# KiCad board Karnix_ASB.kicad_pcb (continued)
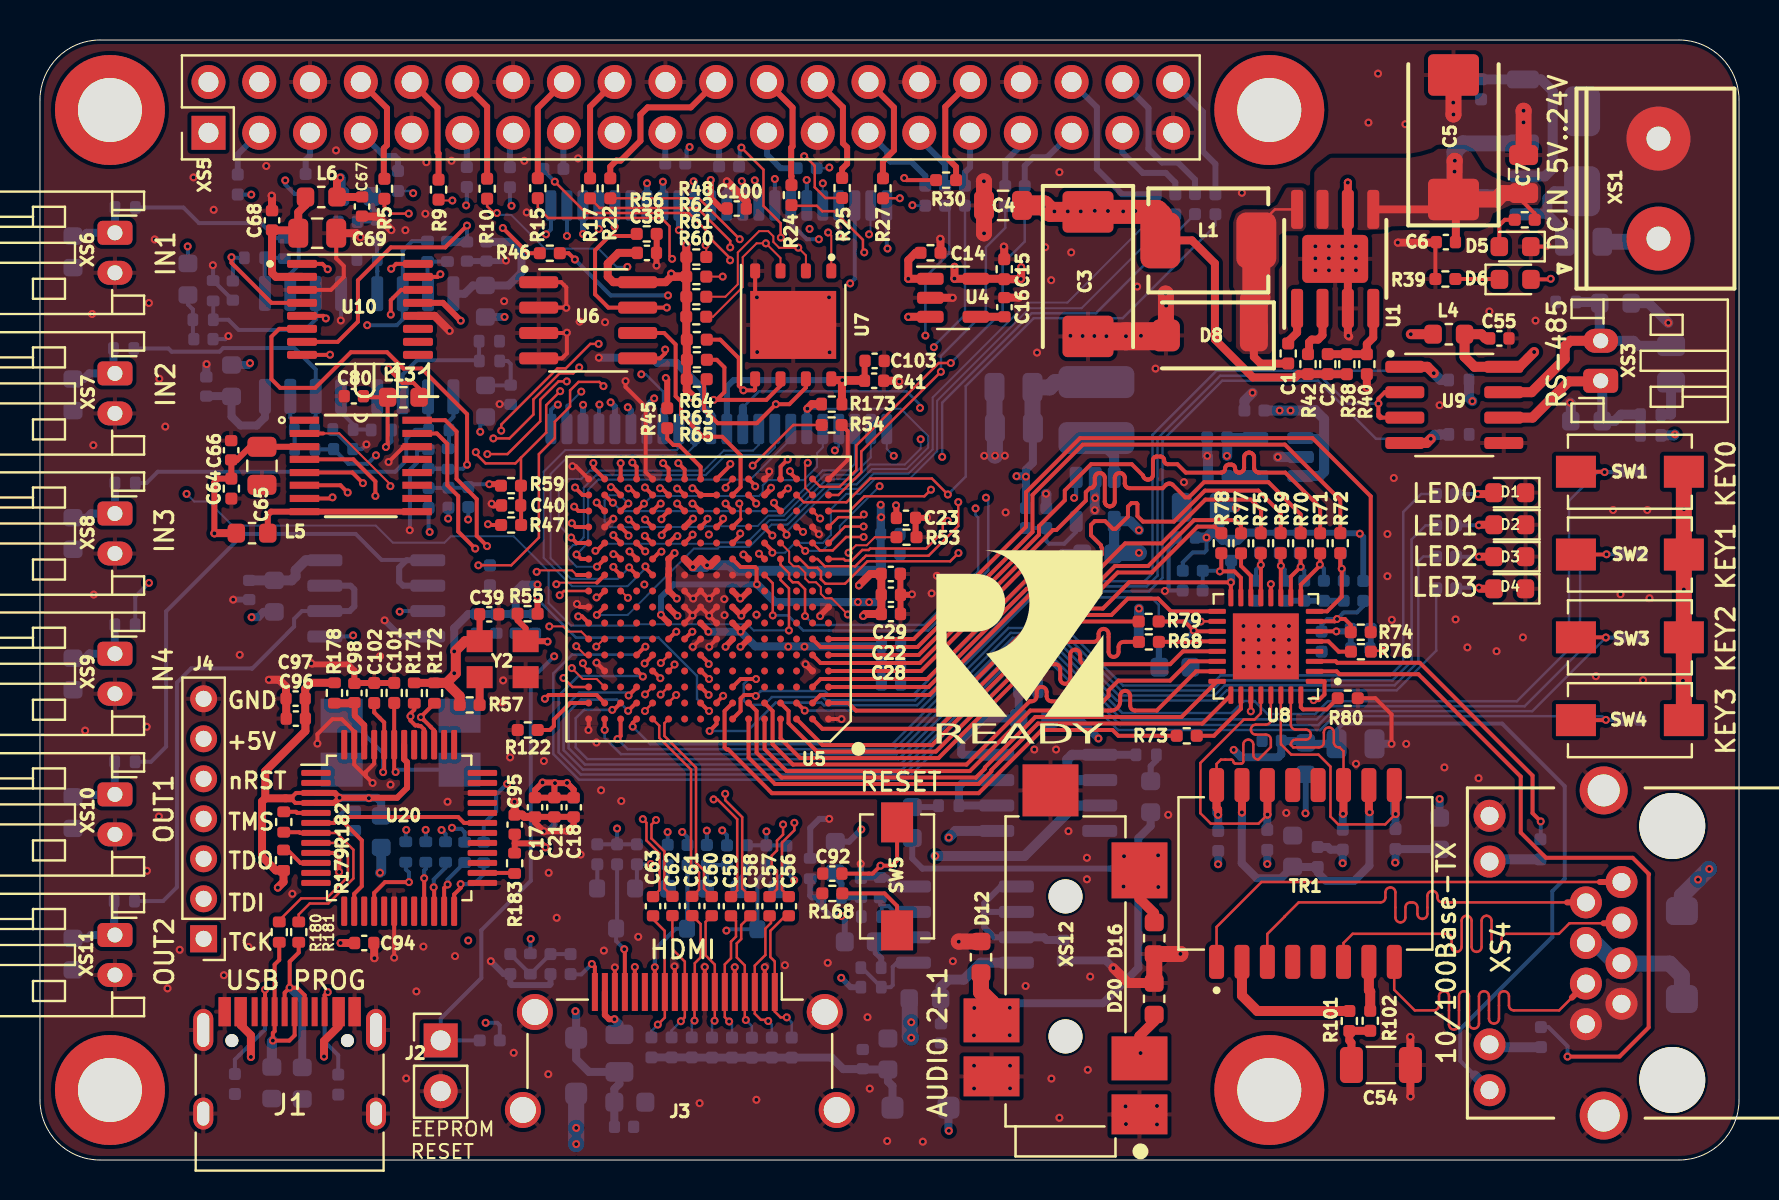
[diagram p0: board, top side]
## Routing (per net, layer and track width the routed paths; a pad name or vN(x,y) marks a point on that pad's centre or on a via; arc(x,y) is an arc through that point) (continued)
LAN_RXD2: length 34.9
  Top w0.2: U5.E1 43.96,25.25 49.98,31.27 49.98,31.7 51.27,32.99 51.27,33.48 52.58,34.79 54.62,34.79 55.18,34.23 55.21,34.15 55.25,34.09 55.32,34.04 55.39,34.02 55.43,34.02 55.47,34.02 55.54,34.04 55.61,34.09 55.65,34.15 55.68,34.23 55.68,34.27 55.68,34.98 55.68,35.02 55.71,35.09 55.76,35.14 55.83,35.17 55.87,35.17 56.05,35.17 56.08,35.17 56.15,35.14 56.21,35.09 56.24,35.02 56.24,34.98 56.24,34.94 56.27,34.87 56.32,34.82 56.39,34.79 56.43,34.79 56.9,34.79 57.32,34.37 59.09,34.37 59.13,34.37 59.2,34.4 59.26,34.46 59.29,34.53 59.29,34.61 59.32,34.68 59.38,34.74 59.45,34.77 59.49,34.77 59.59,34.77 59.63,34.77 59.7,34.74 59.76,34.68 59.79,34.61 59.79,34.53 59.82,34.46 59.88,34.4 59.95,34.37 59.99,34.37 60.03,34.37 60.1,34.4 60.17,34.44 60.21,34.51 60.24,34.58 60.24,34.62 60.24,35.12 60.24,35.16 60.27,35.23 60.31,35.3 60.38,35.34 60.45,35.37 60.49,35.37 60.53,35.37 60.6,35.34 60.67,35.3 60.71,35.23 60.74,35.16 60.74,35.12 60.74,34.62 60.74,34.58 60.77,34.51 60.81,34.44 60.88,34.4 60.95,34.37 60.99,34.37 62.3,34.37 64.05,32.62 R71.1
LAN_RXD3: length 34.7
  Top w0.2: R72.1 65.05,33 62.28,35.77 52.17,35.77 49.65,33.25 49.65,31.4 43.9,25.65 39.05,25.65 U5.F2
LAN_RXDV: length 27.4
  Top w0.2: R73.1 53.95,21.21 53.66,21.5 50.12,21.5 46.96,18.34 36.62,18.34 34.43,20.53 34.35,20.53 34.25,20.63 34.25,22.45 U5.B7
LAN_RXER: length 27.7
  Top w0.2: U5.C2 39.05,24.05 44.39,24.05 49.38,29.04 52.5,29.04 54.29,30.83 56.11,30.83 58.3,33.02 60.58,33.02 61.09,32.51 61.09,31.35 R75.1
LAN_TXCLK: length 23.7
  Top w0.2: R68.1 54.21,25.91 arc(54.03,25.83) 53.96,25.66 53.96,25.41 arc(53.89,25.23) 53.71,25.16 arc(53.53,25.23) 53.46,25.41 53.46,26.31 arc(53.39,26.48) 53.21,26.56 arc(53.03,26.48) 52.96,26.31 52.96,26.16 arc(52.89,25.98) 52.71,25.91 50.3,25.91 44.82,20.42 38.87,20.42 37.45,21.84 37.45,22.45 U5.B4
LAN_TXD0: length 28.2
  Top w0.2: U5.B5 36.65,22.45 36.65,20.79 37.67,19.77 46.35,19.77 49.52,22.94 49.61,22.94 arc(49.79,23.01) 49.86,23.19 49.86,23.41 arc(49.93,23.58) 50.11,23.66 arc(50.29,23.58) 50.36,23.41 50.36,23.19 arc(50.43,23.01) 50.61,22.94 53.2,22.94 53.46,23.2 53.46,23.48 53.95,23.97 56.54,23.97 57.5,24.93 U8.22
LAN_TXD1: length 28.1
  Top w0.2: U8.23 57.83,24.43 55.87,22.47 54.79,22.47 arc(54.61,22.55) 54.54,22.72 54.54,23.21 arc(54.47,23.38) 54.29,23.46 arc(54.11,23.38) 54.04,23.21 54.04,22.93 arc(53.91,22.61) 53.59,22.47 49.55,22.47 46.52,19.45 37.35,19.45 36.25,20.55 U5.A5
LAN_TXD2: length 28.2
  Top w0.2: U5.B6 35.85,22.45 35.85,20.37 37.1,19.12 46.83,19.12 47.27,19.57 47.27,19.63 49.79,22.15 57.11,22.15 U8.24
LAN_TXD3: length 28.5
  Top w0.2: U8.25 58.16,21.82 49.93,21.82 47.6,19.49 47.6,19.43 46.96,18.8 36.77,18.8 35.45,20.12 U5.A6
LAN_TXEN: length 28.2
  Top w0.2: U8.21 57.18,25.43 56.54,24.79 52.29,24.79 arc(52.11,24.86) 52.04,25.04 52.04,25.27 arc(51.97,25.45) 51.79,25.52 arc(51.61,25.45) 51.54,25.27 51.54,24.06 arc(51.47,23.88) 51.29,23.81 arc(51.11,23.88) 51.04,24.06 51.04,24.54 arc(50.97,24.72) 50.79,24.79 49.65,24.79 44.95,20.1 38.03,20.1 37.05,21.08 U5.A4
LAN_VDD2A: length 46.3
  Top w0.2: U8.1 64.26,23.93 64.26,23.93 64.26,23.28 63.98,23 v1(63.71,23) ; U8.27 60.58,22.44 v1(60.58,22.44)
  In3.Cu w0.4: v1(59.72,20.51) 59.72,21.58 v1(60.58,22.44) 60.61,22.47 63.19,22.47 v1(63.71,23)
  Bottom w0.2: 71.78,4.23 71.05,4.96 71.05,6.55 75.66,11.15 75.66,13.44 76.28,14.06 76.28,18.69 73.15,21.82 65.2,21.82 64.86,21.49 C46.1
  Bottom w0.4: 64.86,21.23 C46.1 63.37,20.81 L3.1 63.23,20.95 62.11,20.95 C47.1 62.1,20.29 61.95,20.14 60.08,20.14 v1(59.72,20.51)
  Bottom w0.5: XS4.11 71.78,4.23
LED0: length 53
  Top w0.2: v1(29.65,21.67) 29.65,21.85 U5.A13
  Bottom w0.125: v1(29.65,21.67) 30.53,20.79 42.64,20.79 48.46,26.61 51.3,26.61 54.18,23.72 58.55,23.72 59.06,24.23 67.56,24.23 68.2,24.87 68.2,32.4 69.1,33.3 R1.1
LED1: length 52.8
  Top w0.2: v1(28.89,21.05) 29.05,21.2 U5.A14
  Bottom w0.125: v1(28.89,21.05) 29.4,20.54 42.74,20.54 48.56,26.36 51.2,26.36 54.08,23.47 58.66,23.47 59.17,23.98 67.67,23.98 68.62,24.94 68.62,31.03 69.32,31.73 R7.1
LED2: length 52.3
  Top w0.2: v1(28.25,21.5) 28.25,21.51 U5.A15
  Bottom w0.125: v1(28.25,21.5) 28.25,21.1 29.06,20.29 42.85,20.29 48.66,26.11 51.09,26.11 53.97,23.22 58.76,23.22 59.27,23.73 67.77,23.73 68.95,24.92 68.95,29.92 69.21,30.18 R13.1
LED3: length 55.1
  Top w0.2: v1(28.63,22.51) 28.71,22.51 U5.B14
  Bottom w0.125: v1(28.63,22.51) 27.22,22.51 26.8,22.09 26.8,20.63 27.39,20.04 42.95,20.04 48.77,25.86 50.99,25.86 53.87,22.98 58.86,22.98 59.37,23.48 67.87,23.48 69.85,25.46 R20.1
LED_GREEN: length 2.6
  Bottom w0.5: XS4.10 72.64,15.04 R81.2
LED_YELLOW: length 37.2
  Top w0.2: U8.2 64.87,24.43 65.01,24.29 68.96,24.29 74.08,19.17 74.08,16.37 75.34,15.11 79.68,15.11 80.5,14.29 80.48,14.27 80.48,6.63 79.02,5.17 v1(76.42,5.17)
  Bottom w0.2: v1(76.42,5.17) 76.42,5.69 75.46,6.65 R103.1
MIC_IN: length 24.8
  Top w0.5: D20.2 55.74,6.93 55.01,6.2 XS12.4
  In1.Cu w0.4: v1(55.06,5.35) 48.21,12.2 v1(40.09,12.2)
  Bottom w0.3: R149.2 38.53,13.22 38.62,13.13 R157.1 39.08,12.66 39.54,12.2 v1(40.09,12.2) 40.26,12.03 C85.1
MIC_U_ADC: length 55.2
  Top w0.2: U10.8 14.51,40.26 v1(14.51,40.26)
  In1.Cu w0.2: v1(40.08,9.11) 38.73,9.11 37.92,8.3 25.44,8.3 22.09,11.65 22.09,17.48 20.16,19.41 18.87,19.41 14.02,24.26 14.02,39.77 v1(14.51,40.26)
  Bottom w0.3: v1(40.08,9.11) 40.55,8.64 R148.1
OUT1_DAC: length 12.4
  Top w0.2: U11.4 15.68,35.03 16.78,33.93 v1(16.78,33.21)
  In1.Cu w0.2: v1(16.78,33.21) 16.78,28.63 v1(17.99,27.42)
  Bottom w0.2: v1(17.99,27.42) 18.02,27.45 U15.3
OUT1_U: length 3.8
  Bottom w0.4: R128.1 3.74,18.29 XS10.1 3.72,18.26 1.75,18.26 D13.1
OUT2_DAC: length 12.4
  Top w0.2: v1(16.16,33.84) 15.63,34.37 U11.5
  In1.Cu w0.2: v1(15.67,26.23) 16.14,26.71 16.14,33.83 v1(16.16,33.84)
  Bottom w0.2: U15.5 15.61,26.18 v1(15.67,26.23)
OUT2_U: length 3.9
  Bottom w0.4: R138.1 3.71,11.29 XS11.1 2.55,11.25 2.38,11.08 D17.1
OUT_AUDIO_L: length 25
  Top w0.2: v1(48.52,6.24) 48.34,6.24 ; v1(46.73,6.23) 46.86,6.23 ; v1(46.74,7.6) 46.98,7.6
  Top w0.3: v1(48.52,7.61) 48.23,7.61
  Top w0.8: D12.1 47.08,8.41 47.61,7.88 XS12.3
  Bottom w0.2: v1(48.52,7.61) 48.51,7.6 v1(46.74,7.6) 46.73,7.59 v1(46.73,6.23) 46.73,6.24 v1(48.52,6.24)
  Bottom w0.3: v1(48.52,6.24) 48.52,6.25 v1(48.52,7.61)
  Bottom w0.4: v1(48.52,7.61) 48.75,7.84 53.18,7.84 54.95,9.61 54.95,16.09 55.56,16.71 C82.2
OUT_AUDIO_R: length 17.9
  Top w0.5: XS12.2 55.01,13.08 55.74,12.34 55.74,11.89
  Bottom w0.3: v1(55.94,15.23) 55.94,13.66 v1(55.95,13.65) ; 54.23,14.38 54.23,13.7 v1(54.21,13.67) ; 54.23,14.38 54.05,14.56 53.59,14.56 53.58,14.57 44.15,14.57 43.64,15.08 C83.2 ; 54.23,14.38 v1(54.23,15.19)
POWER_GOOD_5V: length 2.8
  Top w0.4: 64.16,42.58 64.16,41.24 63.94,41.02 63.62,41.02 63.49,40.89 63.49,40.29
QSPI_D2: length 24.7
  Top w0.1: R60.2 33.67,42.16 35.15,43.65 35.15,45.14 35.85,45.83 v1(36.32,45.83) 37.05,45.1 U7.3
  Top w0.2: U5.M7 35.03,31.23 v1(35.03,31.32)
  In1.Cu w0.1: v1(35.03,31.32) 36.08,31.32 37.98,33.22 37.98,43.87 36.32,45.53 v1(36.32,45.83)
QSPI_D3: length 15.2
  Top w0.125: 35.05,32.05 35.05,32.8
  Top w0.2: R65.2 33.23,38.91 33.23,37.52 33.91,36.84 35.86,36.84 v1(36.81,37.79) 37.49,37.79 38.32,38.62 U7.7 ; v1(34.98,32.82) 35.02,32.82 35.05,32.8 ; U5.N7 35.05,32.05
  In1.Cu w0.125: v1(36.81,37.79) 34.98,35.95 34.98,32.83 v1(34.98,32.82)
RS485_A: length 10.7
  Top w0.5: XS3.1 78.05,38.93 76.48,38.93 74.67,37.12 U9.6
  Bottom w0.5: R105.2 R107.2 79.1,37.27 78.78,36.95 D10.2 78.16,38.88 XS3.1
RS485_B: length 13
  Top w0.5: XS3.2 76.56,40.96 76.28,40.68 76.28,40.05 74.62,38.39 U9.7
  Bottom w0.5: R106.2 79.97,40.71 79.72,40.96 XS3.2 78.03,41.01 D11.2 77.97,42.9 R108.1
RS485_DE: length 50.1
  Top w0.2: U5.C7 35.05,24.05 v1(35.82,24.05) ; 67.05,37.09 66.96,37.18 66.96,37.29 ; U9.3 67.13,37.12 66.96,37.29 ; 66.96,37.29 66.96,38.07 67.28,38.39 U9.2
  Bottom w0.125: v1(35.82,24.05) 35.46,24.05 35.21,23.8 35.21,22.96 35.41,22.76 36.23,22.76 36.62,23.15 39.16,23.15 39.32,22.99 43.78,22.99 49.47,28.68 55.37,28.68 55.91,29.22 55.91,36.08 59.04,39.21 64.04,39.21 65.43,37.82 v1(66.96,37.82)
RS485_DI: length 51.8
  Top w0.2: v1(33.5,21.45) 33.85,21.8 U5.A8
  Top w0.5: v1(69.58,36.06) 69.37,35.85 U9.4
  Bottom w0.125: v1(33.5,21.45) 35.39,21.45 36.81,22.87 39.09,22.87 39.22,22.74 43.89,22.74 49.58,28.43 55.48,28.43 56.16,29.11 56.16,35.98 59.14,38.96 63.94,38.96 66.84,36.06 v1(69.58,36.06)
  Bottom w0.5: R109.1 70.02,36.28 70,36.26 69.78,36.26 v1(69.58,36.06)
RS485_RO: length 49.4
  Top w0.2: v1(35.81,23.2) 35.76,23.25 35.23,23.25 35.05,23.07 35.05,22.45 U5.A7
  Top w0.5: v1(69.73,39.34) 69.41,39.66 U9.1
  Bottom w0.125: v1(69.73,39.34) 69.61,39.46 58.86,39.46 55.66,36.26 55.66,29.34 55.26,28.94 49.38,28.94 43.7,23.26 39.46,23.26 39.27,23.45 36.06,23.45 v1(35.81,23.2)
  Bottom w0.5: v1(69.73,39.34) 70.07,39 R104.2
SPI_CONFIG_MISO: length 27.1
  Top w0.1: R61.2 34.29,43.16 34.91,43.78 34.91,45.37 35.98,46.44 36.43,46.44 36.69,46.19 36.69,45.9 36.98,45.61 37.93,45.61 v1(37.93,45.62) 38.32,45.23 U7.2 ; v1(34.3,33.61) 34.3,33.7 U5.T7
  In1.Cu w0.1: v1(37.93,45.62) 37.93,45.92 37.16,46.69 34.89,46.69 34.06,45.86 34.06,44.92 34.71,44.27 34.71,37.34 33.98,36.61 33.98,33.93 v1(34.3,33.61)
SPI_CONFIG_MOSI: length 9.8
  Top w0.2: U7.5 35.78,38.52 35.74,38.48 v1(35.19,38.48) 34.96,38.71 34.96,40.09 34.03,41.02 R64.2 ; v1(34.53,34.8) 34.53,34.73 U5.T8
  In1.Cu w0.2: v1(35.19,38.48) 35.19,36.98 34.53,36.33 v1(34.53,34.8)
SPI_CONFIG_SCK: length 13.6
  Top w0.2: U5.N9 33.05,31.66 33.39,32 v1(33.39,32.06) ; R63.2 33.86,40.01 34.24,39.63 34.24,38.39 33.85,38.01 v1(33.7,38.01) 36.34,38.01 37.05,38.72 U7.6
  In1.Cu w0.125: v1(33.7,38.01) 33.39,37.7 v1(33.39,32.06)
SPI_CONFIG_SS: length 24.2
  Top w0.1: U7.1 39.59,46.22 v1(39.43,46.38) ; R62.2 v1(34.15,44.17)
  Top w0.2: U5.N8 34.18,31.98 v1(34.18,32.07)
  In1.Cu w0.1: v1(34.18,32.07) 33.65,32.59 33.65,36.74 34.15,37.24 v1(34.15,44.17) 33.8,44.52 33.8,45.96 34.89,47.05 38.76,47.05 v1(39.43,46.38)
SRAM_#BHE: length 43.8
  Top w0.125: v1(26,28.24) 26.21,28.45 U5.J16
  In4.Cu w0.1: v1(26,28.24) 26.18,28.06 26.18,26.76 26.78,26.15 28.75,26.15 29.63,25.27 38.67,25.27 39.42,26.02 39.42,30.11 39.87,30.57 39.87,33.02 42.03,35.18 42.03,46.53 39.72,48.84 v1(39.16,48.84)
  Bottom w0.1: U21.40 v1(39.16,48.84)
SRAM_#BLE: length 34.8
  Top w0.2: v1(27.84,28.13) 27.93,28.13 U5.J15
  In4.Cu w0.1: v1(27.84,28.13) 27.84,28.62 25.41,31.06 25.41,42.55 27.55,44.68 27.55,47.01 30.27,49.73 37.63,49.73 v1(38.36,49)
  Bottom w0.1: 38.36,49 v1(38.36,49)
  Bottom w0.2: U21.39 38.36,49
SRAM_#CS: length 29.6
  Top w0.2: v1(27.86,27.25) 27.86,27.26 U5.H15
  Top w0.4: R173.1 38.62,37.8 v1(38.39,37.57)
  Bottom w0.1: v1(38.39,37.57) 43.06,37.57 44.43,36.2 44.43,35.62 43.36,34.55 41.62,34.55 40.86,33.78 39.41,33.78 37.4,31.77 36.61,31.77 35.49,30.66 34,30.66 33.91,30.57 32.71,30.57 29.4,27.25 v1(27.86,27.25)
  Bottom w0.3: U21.6 38.36,37.54 v1(38.39,37.57)
SRAM_#OE: length 31.7
  Top w0.1: U5.J14 29.07,28.45 v1(29.41,28.11)
  In4.Cu w0.1: v1(40.2,46.14) 40.2,45.65 41.58,44.27 41.58,35.39 41.43,35.24 41.43,35.21 39.42,33.21 39.42,30.78 38.92,30.29 38.92,28.23 38.33,27.64 31.41,27.64 31.27,27.78 29.74,27.78 v1(29.41,28.11)
  Bottom w0.1: v1(40.2,46.14) 39.96,46.37 U21.41
SRAM_#WE: length 11.7
  Top w0.2: U5.K14 28.68,29.62 v1(28.68,29.66)
  In4.Cu w0.1: v1(28.68,29.66) 29.09,30.06 29.09,30.47 28.71,30.84 28.52,30.84 28.33,31.03 28.31,31.03 28.31,32.31 28.48,32.49 28.85,32.49 29.06,32.7 29.06,33.01 29.25,33.2 29.61,33.2 29.81,33.41 29.81,34.07 30.02,34.28 30.02,35.12 29.41,35.73 v1(29.41,37.64)
  Bottom w0.3: v1(29.41,37.64) 29.56,37.48 U21.17
SRAM_A00: length 21.4
  Top w0.2: v1(29.45,32.02) 29.48,32.02 U5.N13
  In1.Cu w0.1: v1(42.71,35.21) 40.83,33.33 40.83,30.22 40.83,30.21 40.83,30.21 40.61,29.99 40.6,29.99 39.78,29.17 31.64,29.17 30.65,30.16 30.65,30.58 30.44,30.8 30.12,30.8 29.82,31.11 29.82,31.5 29.45,31.87 v1(29.45,32.02)
  Bottom w0.1: U21.1 42.36,35.56 v1(42.71,35.21)
SRAM_A01: length 19.4
  Top w0.2: v1(29.44,32.82) 29.42,32.82 U5.P14
  Bottom w0.1: U21.2 41.56,35.12 40.7,34.26 39.25,34.26 37.21,32.22 36.42,32.22 35.9,31.7 34.73,31.7 34.71,31.69 33.29,31.69 33.25,31.65 30.15,31.65 30.15,31.64 28.54,31.64 28.24,31.94 28.24,32.99 28.49,33.24 29.02,33.24 v1(29.44,32.82)
SRAM_A02: length 15.6
  Top w0.2: v1(28.66,32.86) 28.64,32.86 U5.R15
  Bottom w0.1: v1(28.66,32.86) 29.08,32.44 37.12,32.44 39.16,34.48 40.44,34.48 40.76,34.81 U21.3
SRAM_A03: length 22.2
  Top w0.2: U5.T15 27.68,34.62 v1(27.68,34.85)
  In1.Cu w0.1: v1(27.68,34.85) 28.07,34.47 30.61,34.47 31.03,34.04 31.94,34.04 32.26,33.72 32.26,32.65 31.95,32.33 31.95,31.66 31.97,31.64 31.98,31.64 32.26,31.35 32.26,31.07 32.5,30.83 39.45,30.83 39.77,31.15 v1(39.77,35.48)
  Bottom w0.125: U21.4 39.96,35.68 v1(39.77,35.48)
SRAM_A04: length 12.2
  Top w0.2: v1(30.22,32.82) 30.22,32.82 U5.P13
  Bottom w0.1: U21.5 39.16,35.63 38.87,35.35 38.87,34.66 38.21,34 36.42,34 36.16,33.73 36.16,33.39 35.97,33.2 32.49,33.2 32.49,33.2 30.59,33.2 v1(30.22,32.82)
SRAM_A05: length 6.3
  Top w0.2: v1(28.56,33.64) 28.66,33.64 U5.R14
  In4.Cu w0.1: v1(28.56,33.64) 28.53,33.67 28.53,37.87 v1(28.55,37.88)
  Bottom w0.3: U21.18 28.76,37.67 v1(28.55,37.88)
SRAM_A06: length 7.8
  Top w0.2: U5.R13 29.52,33.58 v1(29.44,33.58)
  In4.Cu w0.1: v1(29.44,33.58) 29.07,33.58 28.76,33.27 28.26,33.27 28.11,33.42 28.11,34.1 28.18,34.17 28.18,34.95 27.99,35.14 v1(27.99,37.77)
  Bottom w0.1: 27.96,37.75 27.98,37.77 v1(27.99,37.77)
  Bottom w0.2: U21.19 27.96,37.75
SRAM_A07: length 7.3
  Top w0.2: U5.T14 v1(29.05,34.84)
  In4.Cu w0.1: v1(29.05,34.84) 29.03,34.86 29.03,37.96 28.7,38.29 27.7,38.29 v1(27.17,37.76)
  Bottom w0.3: U21.20 27.16,37.75 v1(27.17,37.76)
SRAM_A08: length 10.6
  Top w0.2: U5.R12 30.28,33.62 v1(30.27,33.62)
  In4.Cu w0.1: v1(27.08,38.42) 27.74,39.08 28.58,39.08 29.78,37.87 29.78,36.61 30.27,36.12 30.27,33.63 v1(30.27,33.62)
  Bottom w0.1: 26.38,37.72 27.08,38.42 v1(27.08,38.42) ; U21.21 26.38,36.57
  Bottom w0.2: 26.38,36.57 26.38,37.72
SRAM_A09: length 7.2
  Top w0.2: v1(29.64,34.87) 29.85,34.66 U5.T13
  In1.Cu w0.1: v1(29.64,34.87) 28.38,36.13 27.55,36.13 v1(25.91,37.77)
  Bottom w0.2: v1(25.91,37.77) 25.83,37.77 25.56,37.5 U21.22
SRAM_A10: length 21.3
  Top w0.2: v1(30.26,31.21) 30.62,30.85 U5.M12
  In1.Cu w0.1: v1(25.32,46.28) 24.63,45.6 24.63,34.85 26.41,33.07 27,33.07 27.4,32.67 27.4,32.67 27.59,32.48 28.95,32.48 29.03,32.4 29.64,32.4 29.86,32.18 29.86,31.84 30.26,31.45 v1(30.26,31.21)
  Bottom w0.2: v1(25.32,46.28) 25.56,46.53 U21.23
SRAM_A11: length 20.4
  Top w0.2: v1(30.27,32.03) 30.27,32.03 U5.N12
  In1.Cu w0.1: 29.84,33.68 29.84,32.55 30.27,32.12 v1(30.27,32.03) ; 29.84,33.69 29.84,33.7 29.53,34.02 27.42,34.02 27.13,34.3 26.36,34.3 25.31,35.36 25.31,44.98 26.36,46.03 v1(26.36,46.2)
  Bottom w0.2: U21.24 v1(26.36,46.2)
SRAM_A12: length 42.1
  Top w0.2: U5.M11 31.8,31.2 v1(31.89,31.2)
  In1.Cu w0.1: v1(31.89,31.2) 31.89,31.12 32.41,30.61 34.25,30.61 35.2,29.66 39.09,29.66 40.57,31.13 40.57,34.51 40.9,34.84 40.9,44.38 40.6,44.69 40.6,46.66 39.7,47.55 28.42,47.55 v1(27.17,46.3)
  Bottom w0.3: v1(27.17,46.3) 27.16,46.31 U21.25
SRAM_A13: length 36.1
  Top w0.2: U5.N11 31.1,31.3 v1(31.1,31.24)
  In4.Cu w0.1: v1(31.1,31.24) 31.56,31.7 33.23,31.7 33.24,31.69 34.4,31.69 34.92,32.21 37.34,32.21 40.9,35.77 40.9,43.99 40.16,44.74 39.36,44.74 37.06,47.04 28.45,47.04 v1(27.95,46.55)
  Bottom w0.3: U21.26 27.96,46.56 v1(27.95,46.55)
SRAM_A14: length 22.2
  Top w0.2: v1(31.09,32.04) 31.09,32.09 U5.P11
  In1.Cu w0.1: v1(28.75,46.67) 27.91,45.83 26.64,45.83 25.53,44.72 25.53,36.44 27.74,34.24 30.43,34.24 30.65,34.02 30.65,32.48 v1(31.09,32.04)
  Bottom w0.3: v1(28.75,46.67) 28.76,46.68 U21.27
SRAM_A15: length 23.7
  Top w0.2: v1(31.05,32.82) 31.02,32.82 U5.P12
  In4.Cu w0.1: v1(31.05,32.82) 31.43,32.44 32.51,32.44 32.51,32.44 37.26,32.44 40.53,35.71 v1(40.53,43.83)
  Bottom w0.2: v1(40.53,43.83) 40.76,44.06 U21.42
SRAM_A16: length 42.1
  Top w0.1: 26.85,29.25 26.62,29.48 24.92,29.48 v1(24.85,29.41)
  Top w0.2: U5.K16 26.85,29.25
  In4.Cu w0.1: v1(41.48,46.28) 41.8,45.96 41.8,35.27 39.64,33.11 39.64,30.69 39.17,30.21 39.17,27.97 38.65,27.46 38.65,26.39 38.31,26.04 29.35,26.04 29.02,26.38 26.87,26.38 26.46,26.79 26.46,28.86 25.91,29.41 v1(24.85,29.41)
  Bottom w0.1: v1(41.48,46.28) 41.55,46.36 41.55,47.71 U21.43
SRAM_A17: length 44.9
  Top w0.1: 27.87,28.87 25.91,28.87 v1(25.83,28.79)
  Top w0.2: U5.K15 27.87,28.87
  In4.Cu w0.1: v1(25.83,28.79) 25.61,28.57 25.61,27.26 25.89,26.98 25.89,25.8 26.45,25.24 28.36,25.24 29.93,23.68 38.28,23.68 39.64,25.03 39.64,30.02 40.09,30.47 40.09,32.93 42.33,35.16 42.33,45.49 v1(42.4,45.57)
  Bottom w0.2: v1(42.4,45.57) 42.36,45.61 U21.44
SRAM_D00: length 15.9
  Top w0.2: U5.L16 27.07,30.05 v1(26.84,30.28)
  Bottom w0.1: U21.7 37.56,36.04 35.54,34.02 27.93,34.02 27.42,33.51 27.42,30.86 v1(26.84,30.28)
SRAM_D01: length 17.4
  Top w0.2: U5.L15 27.87,29.67 v1(27.87,29.66)
  Bottom w0.1: v1(27.87,29.66) 26.85,29.66 26.43,30.08 26.43,30.51 26.67,30.75 26.82,30.75 27.2,31.13 27.2,33.62 27.83,34.24 33.3,34.24 34.31,35.25 36.38,35.25 36.76,35.64 U21.8
SRAM_D02: length 15.5
  Top w0.2: U5.M16 26.85,30.85 v1(26.57,31.12)
  Bottom w0.1: v1(26.57,31.12) 25.95,31.74 25.95,33.68 26.33,34.05 27.08,34.05 27.5,34.47 33.21,34.47 34.22,35.47 35.67,35.47 35.96,35.76 U21.9
SRAM_D03: length 31.8
  Top w0.2: U5.M15 27.86,30.46 v1(27.79,30.46)
  In1.Cu w0.125: v1(44.03,37.6) 44.03,36.07 v1(44.06,36.04)
  Bottom w0.1: v1(44.06,36.04) 44.06,35.57 43.27,34.77 41.53,34.77 40.79,34.03 39.34,34.03 37.3,31.99 36.51,31.99 35.4,30.88 33.83,30.88 33.77,30.81 28.14,30.81 v1(27.79,30.46)
  Bottom w0.125: 35.17,37.63 35.97,38.44 43.35,38.44 44.03,37.76 v1(44.03,37.6) ; U21.10 35.17,36.55
  Bottom w0.4: 35.17,36.55 35.17,37.63
SRAM_D04: length 18
  Top w0.2: v1(29.48,29.63) 29.48,29.62 U5.K13
  Bottom w0.1: 32.76,35.82 32.76,35.74 32.28,35.25 26.49,35.25 25.54,34.3 25.54,30.09 26.58,29.06 28.9,29.06 v1(29.48,29.63)
  Bottom w0.3: U21.13 32.76,35.82
SRAM_D05: length 19.2
  Top w0.2: U5.K12 30.29,29.61 v1(30.29,29.68)
  Bottom w0.1: 31.96,35.72 31.96,35.61 31.86,35.5 26.28,35.5 25.2,34.41 25.2,30.11 26.62,28.69 29.39,28.69 30.29,29.59 v1(30.29,29.68)
  Bottom w0.3: U21.14 31.96,35.72 31.96,35.72
SRAM_D06: length 14.2
  Top w0.2: v1(29.49,30.43) 29.85,30.07 U5.L13
  In4.Cu w0.1: v1(30.08,39.29) 30.01,39.22 30.01,37.19 30.53,36.68 30.53,34.06 30.64,33.94 30.64,33.44 30.42,33.22 30.01,33.22 29.83,33.03 29.83,32.64 29.6,32.41 29.31,32.41 29.07,32.18 29.07,30.85 v1(29.49,30.43)
  Bottom w0.125: 31.16,37.53 31.16,38.43 30.31,39.29 v1(30.08,39.29)
  Bottom w0.3: U21.15 31.16,37.53
SRAM_D07: length 11
  Top w0.2: U5.L12 31.02,30.42 v1(31.09,30.42)
  In4.Cu w0.1: v1(30.73,38.08) 31.55,37.26 31.55,33.84 31.46,33.76 31.46,33.5 31.16,33.2 30.82,33.2 30.68,33.06 30.68,30.83 v1(31.09,30.42)
  Bottom w0.3: U21.16 30.36,37.72 v1(30.73,38.08)
SRAM_D08: length 41.8
  Top w0.2: U5.N16 26.8,31.65 v1(26.61,31.84)
  In1.Cu w0.1: v1(26.61,31.84) 23.96,34.49 23.96,46.13 28.03,50.2 31.45,50.2 31.46,50.2 36.84,50.2 37.45,49.6 37.45,48.71 36.6,47.86 30.89,47.86 30.37,48.39 v1(30.37,48.84)
  Bottom w0.3: v1(30.37,48.84) 30.36,48.83 U21.29
SRAM_D09: length 24
  Top w0.2: v1(27.85,32.87) 27.85,32.85 U5.P15
  In1.Cu w0.1: v1(31.16,48.92) 30.78,49.3 28.44,49.3 25.91,46.78 25.91,45.93 25.08,45.09 25.08,35.27 26.34,34.01 26.98,34.01 27.85,33.13 v1(27.85,32.87)
  Bottom w0.3: U21.30 v1(31.16,48.92)
SRAM_D10: length 21.9
  Top w0.2: v1(28.69,30.29) 28.81,30.29 U5.L14
  In4.Cu w0.1: v1(28.69,30.29) 28.67,30.29 27.48,31.48 27.48,33.48 27.24,33.72 27.24,36.89 26.63,37.5 26.63,38.56 27.48,39.41 27.48,43.66 30.31,46.49 v1(31.96,46.49)
  Bottom w0.3: U21.31 v1(31.96,46.49)
SRAM_D11: length 40
  Top w0.2: v1(28.68,31.24) 28.68,31.22 U5.M14
  In1.Cu w0.1: v1(32.7,48.94) 32.7,48.43 33.04,48.08 36.44,48.08 37.2,48.85 37.2,49.43 36.65,49.98 31.36,49.98 31.36,49.98 28.13,49.98 24.18,46.04 24.18,34.63 26.59,32.23 27.42,32.23 28.41,31.24 v1(28.68,31.24)
  Bottom w0.3: U21.32 32.76,48.87 v1(32.7,48.94)
SRAM_D12: length 32.5
  Top w0.2: v1(26.72,32.67) 26.94,32.45 U5.P16
  In1.Cu w0.1: v1(35.11,48.95) 35.11,48.67 35.43,48.35 35.98,48.35 36.29,48.66 36.29,49.33 35.87,49.75 31.27,49.75 31.27,49.75 28.22,49.75 24.41,45.94 24.41,34.73 26.47,32.67 v1(26.72,32.67)
  Bottom w0.3: v1(35.11,48.95) 35.16,48.89 U21.35
SRAM_D13: length 28.4
  Top w0.2: v1(26.77,33.62) 27.14,33.25 U5.R16
  In1.Cu w0.1: v1(35.76,48.99) 35.76,49.29 35.52,49.53 31.18,49.53 31.17,49.53 28.35,49.53 25.69,46.87 25.69,46.02 24.86,45.19 24.86,35.03 26.27,33.62 v1(26.77,33.62)
  Bottom w0.1: U21.36 35.96,48.78 v1(35.76,48.99)
SRAM_D14: length 31.1
  Top w0.2: v1(30.28,30.43) 30.27,30.43 U5.M13